# Altium PCB e-puck3-coreboard.PcbDoc (part 3 of 7)
Units mm, origin at the board's own origin, x right, y up, seen from the top; angles counter-clockwise.
Board outline 42.5 x 39.5 mm, 10 copper layers (Top Layer, Top GND Plane, Top Mid Layer 1, Top Mid Layer 2, Mid GND Plane, Bot Mid Layer 3, Bot Mid Layer 2, Bot Mid Layer 1, Bot GND Plane, Bottom Layer), stack 1.366 mm thick; 292 components, 337 nets, 1581 pads, 7018 vias.
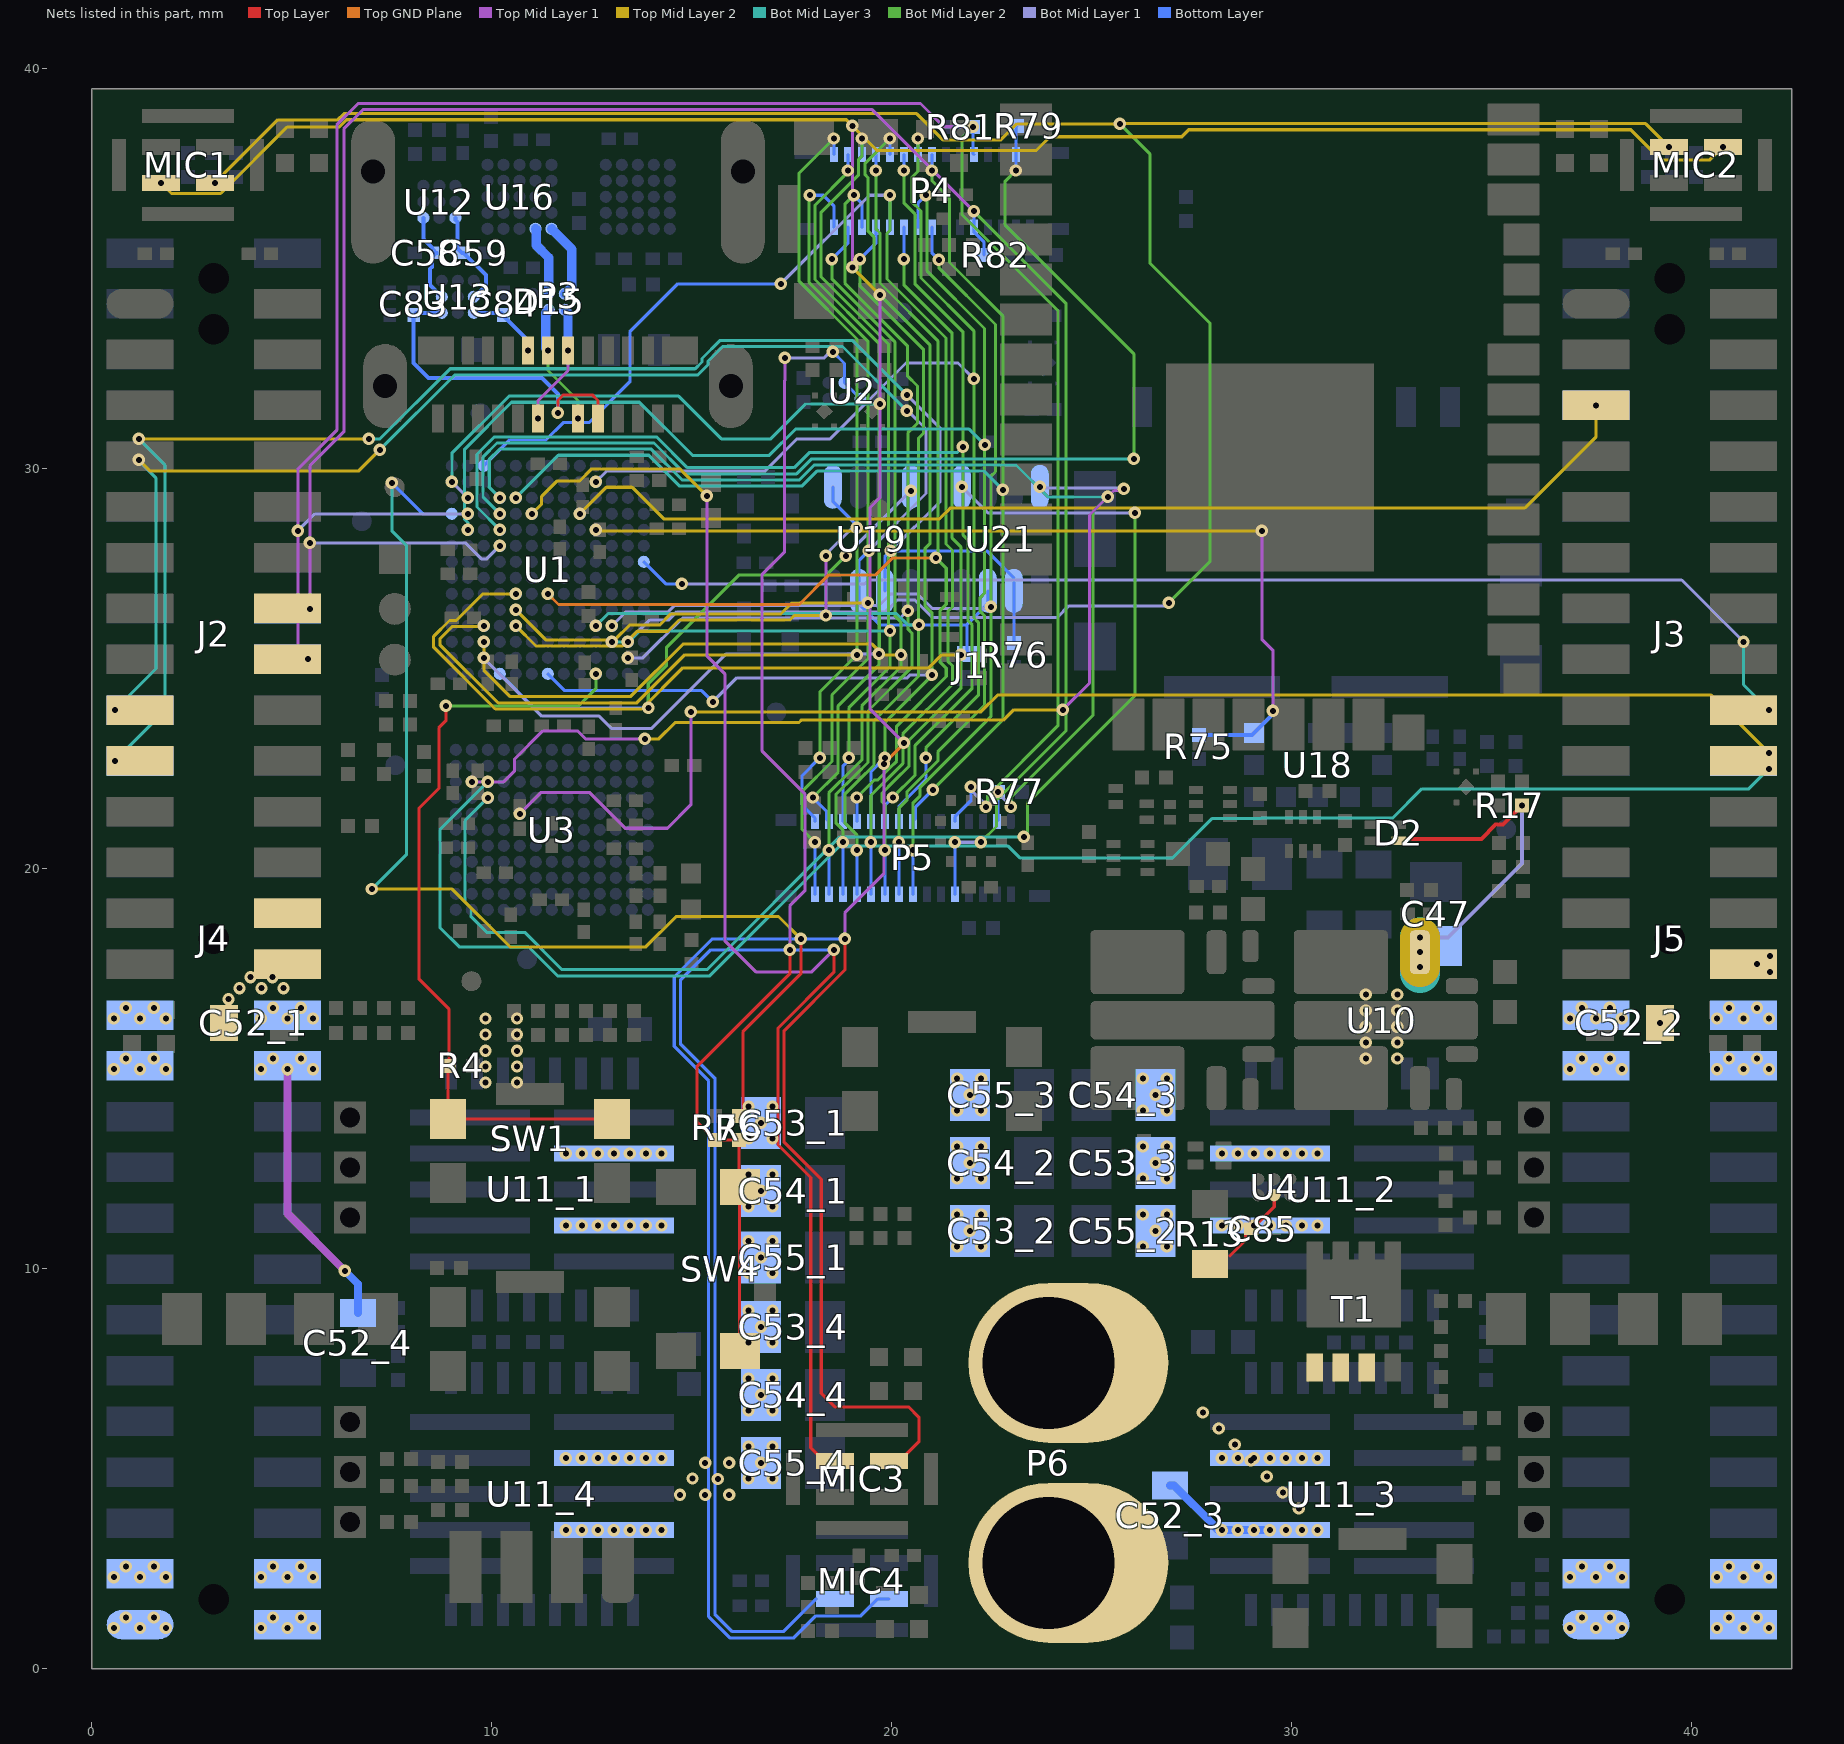
[diagram p11: the nets of this part, all layers, seen from the top]

## Via types
v1: diameter 0.304, hole 0.15, Bot GND Plane to Bottom Layer, 1160 vias
v2: diameter 0.304, hole 0.15, Bot Mid Layer 1 to Bot GND Plane, 1106 vias
v3: diameter 0.304, hole 0.15, Bot Mid Layer 2 to Bot Mid Layer 1, 1042 vias
v4: diameter 0.304, hole 0.15, Bot Mid Layer 3 to Bot Mid Layer 2, 765 vias
v5: diameter 0.304, hole 0.15, Mid GND Plane to Bot Mid Layer 3, 706 vias
v6: diameter 0.304, hole 0.15, Top Mid Layer 2 to Mid GND Plane, 706 vias
v7: diameter 0.304, hole 0.15, Top Mid Layer 1 to Top Mid Layer 2, 585 vias
v8: diameter 0.304, hole 0.15, Top GND Plane to Top Mid Layer 1, 493 vias
v9: diameter 0.304, hole 0.15, Top Layer to Top GND Plane, 343 vias
v10: diameter 0.304/0.15/0.15/0.15/0.15/0.15/0.15/0.15/0.15/0.304 (per signal layer), hole 0.15, Top Layer to Bottom Layer, 39 vias
v11: diameter 0.304/0.304/0.15/0.15/0.304/0.15/0.15/0.15/0.304/0.304 (per signal layer), hole 0.15, Top Layer to Bottom Layer, 38 vias
v12: diameter 0.304/0.15/0.304/0.15/0.304/0.304/0.15/0.15/0.304/0.304 (per signal layer), hole 0.15, Top Layer to Bottom Layer, 10 vias
v13: diameter 0.304/0.304/0.15/0.15/0.15/0.15/0.15/0.15/0.15/0.304 (per signal layer), hole 0.15, Top Layer to Bottom Layer, 8 vias
v14: diameter 0.304/0.304/0.15/0.15/0.304/0.15/0.15/0.15/0.15/0.304 (per signal layer), hole 0.15, Top Layer to Bottom Layer, 4 vias
v15: diameter 0.304/0.304/0.15/0.15/0.304/0.15/0.15/0.15/0.304/0.15 (per signal layer), hole 0.15, Top Layer to Bottom Layer, 4 vias
v16: diameter 0.304/0.15/0.304/0.304/0.304/0.304/0.15/0.304/0.304/0.304 (per signal layer), hole 0.15, Top Layer to Bottom Layer, 2 vias
v17: diameter 0.304/0.15/0.15/0.15/0.304/0.15/0.15/0.15/0.304/0.304 (per signal layer), hole 0.15, Top Layer to Bottom Layer, 2 vias
v18: diameter 0.304/0.15/0.15/0.15/0.15/0.15/0.15/0.304/0.15/0.304 (per signal layer), hole 0.15, Top Layer to Bottom Layer, 1 vias
v19: diameter 0.304/0.15/0.304/0.15/0.15/0.304/0.15/0.15/0.15/0.304 (per signal layer), hole 0.15, Top Layer to Bottom Layer, 1 vias
v20: diameter 0.304/0.15/0.15/0.15/0.304/0.15/0.15/0.15/0.15/0.304 (per signal layer), hole 0.15, Top Layer to Bottom Layer, 1 vias
v21: diameter 0.304/0.15/0.15/0.15/0.15/0.15/0.304/0.15/0.15/0.304 (per signal layer), hole 0.15, Top Layer to Bottom Layer, 1 vias
v22: diameter 0.304/0.15/0.304/0.15/0.15/0.15/0.15/0.15/0.15/0.304 (per signal layer), hole 0.15, Top Layer to Bottom Layer, 1 vias

## Nets (pads, with @x,y where several pads share a name; then routed paths per layer and width w, separated by ;. In a path a pad name is that pad's centre, name@x,y a point inside that pad or via, vN(x,y) a via of type N, cw(c..) or ccw(c..) an arc to the next point about the centre after c; other vN are vias at no path point) (continued)
ADC.ADC3_IN15_1: J3.18 U1.H13 | length 30.4
  Bot Mid Layer 1 w0.077: v2(14.75,27.125) 19.321,27.125 19.418,27.222 39.745,27.222 v3(41.291,25.675)
  Bot Mid Layer 3 w0.077: v3(41.291,25.675) 41.291,24.603 v9(41.925,23.969)
  Bottom Layer w0.077: U1.H13@13.8,27.675 14.35,27.125 v2(14.75,27.125)
  other v1: 14.75,27.125
  other v4: 41.291,25.675
  other v5: 41.925,23.969
  other v6: 41.925,23.969
  other v7: 41.925,23.969
  other v8: 41.925,23.969
BAT+: C47.1 C52_1.1 C52_2.1 C52_3.1 C52_4.1 C53_1.1 C53_2.1 C53_3.1 C53_4.1 C54_1.1 C54_2.1 C54_3.1 C54_4.1 C55_1.1 C55_2.1 C55_3.1 C55_4.1 D2.1 J2.26 J2.28 J3.28 J4.23 J4.24 J4.25 J4.26 J5.23 J5.24 J5.25 J5.26 P6.1 R17.1 U10.2 U11_1.23 U11_1.25 U11_2.23 U11_2.25 U11_3.23 U11_3.25 U11_4.23 U11_4.25 | length 19.4
  Top Layer w0.1: D2.1@32.85,20.75 34.745,20.75 35.097,21.103 35.276,21.103 v9(35.753,21.58)
  Top Mid Layer 1 w0.2: v3(4.892,14.99) 4.891,11.384 v3(6.325,9.95)
  Bot Mid Layer 1 w0.1: v9(33.2,18.285) 33.91,18.285 35.753,20.128 v9(35.753,21.58)
  Top Mid Layer 2 w1: v9(33.2,17.54) v9(33.2,17.915) v9(33.2,18.285)
  Bot Mid Layer 3 w1: 33.2,17.4 v9(33.2,17.915) v9(33.2,18.285)
  Bottom Layer w0.2: v3(6.325,9.95) 6.65,9.625 C52_4.1@6.65,8.9 ; C52_3.1@26.957,4.586 27.057,4.586 28.05,3.592 28.05,3.565 28.15,3.465 v2(28.65,3.465) v2(29.05,3.465) v2(29.45,3.465)
  other v1: 11.85,3.465 12.25,3.465 12.65,3.465 13.05,3.465 13.45,3.465 13.85,3.465 14.246,3.465 28.25,3.465 28.65,3.465 29.05,3.465 29.45,3.465 29.85,3.465 30.25,3.465 30.646,3.465 16.415,4.757 17.015,4.757 16.731,5.15 11.85,5.265 12.25,5.265 12.65,5.265 13.05,5.265 13.45,5.265 13.85,5.265 14.246,5.265 28.25,5.265 28.65,5.265 29.05,5.265 29.45,5.265 29.85,5.265 30.25,5.265 30.646,5.265 16.415,5.557 17.015,5.557 16.415,6.457 17.015,6.457 16.731,6.85 16.415,7.257 17.015,7.257 16.415,8.157 17.015,8.157 16.731,8.55 16.415,8.957 17.015,8.957 16.415,9.892 17.015,9.892 6.325,9.95 16.731,10.285 21.634,10.557 22.234,10.557 26.274,10.557 26.874,10.557 16.415,10.692 17.015,10.692 21.95,10.95 26.59,10.95 11.85,11.085 12.25,11.085 12.65,11.085 13.05,11.085 13.45,11.085 13.85,11.085 14.246,11.085 28.25,11.085 28.65,11.085 29.05,11.085 29.45,11.085 29.85,11.085 30.25,11.085 30.646,11.085 21.634,11.357 22.234,11.357 26.274,11.357 26.874,11.357 16.415,11.557 17.015,11.557 16.731,11.95 21.634,12.257 22.234,12.257 26.274,12.257 26.874,12.257 16.415,12.357 17.015,12.357 21.95,12.65 26.59,12.65 11.85,12.885 12.25,12.885 12.65,12.885 13.05,12.885 13.45,12.885 13.85,12.885 14.246,12.885 28.25,12.885 28.65,12.885 29.05,12.885 29.45,12.885 29.85,12.885 30.25,12.885 30.646,12.885 21.634,13.057 22.234,13.057 26.274,13.057 26.874,13.057 16.415,13.257 17.015,13.257 16.731,13.65 21.634,13.957 22.234,13.957 26.274,13.957 26.874,13.957 16.415,14.057 17.015,14.057 21.95,14.35 26.59,14.35 21.634,14.757 22.234,14.757 26.274,14.757 26.874,14.757 0.55,14.99 1.209,14.99 1.85,14.99 4.233,14.99 4.892,14.99 5.533,14.99 36.95,14.99 37.608,14.99 38.25,14.99 40.633,14.99 41.291,14.99 41.933,14.99 0.85,15.255 1.55,15.255 4.533,15.255 5.233,15.255 37.25,15.255 37.95,15.255 40.933,15.255 41.633,15.255 0.55,16.26 1.209,16.26 1.85,16.26 4.233,16.26 4.892,16.26 36.95,16.26 37.608,16.26 38.25,16.26 40.633,16.26 41.291,16.26 41.933,16.26 0.85,16.525 1.55,16.525 4.533,16.525 37.25,16.525 37.95,16.525 40.933,16.525 41.633,16.525 3.417,16.741 33.2,17.915 33.2,18.285
  other v2: 11.85,3.465 12.25,3.465 12.65,3.465 13.05,3.465 13.45,3.465 13.85,3.465 14.246,3.465 28.25,3.465 29.85,3.465 30.25,3.465 30.646,3.465 16.415,4.757 17.015,4.757 16.731,5.15 11.85,5.265 12.25,5.265 12.65,5.265 13.05,5.265 13.45,5.265 13.85,5.265 14.246,5.265 28.25,5.265 28.65,5.265 29.05,5.265 29.45,5.265 29.85,5.265 30.25,5.265 30.646,5.265 16.415,5.557 17.015,5.557 16.415,6.457 17.015,6.457 16.731,6.85 16.415,7.257 17.015,7.257 16.415,8.157 17.015,8.157 16.731,8.55 16.415,8.957 17.015,8.957 16.415,9.892 17.015,9.892 6.325,9.95 16.731,10.285 21.634,10.557 22.234,10.557 26.274,10.557 26.874,10.557 16.415,10.692 17.015,10.692 21.95,10.95 26.59,10.95 11.85,11.085 12.25,11.085 12.65,11.085 13.05,11.085 13.45,11.085 13.85,11.085 14.246,11.085 28.25,11.085 28.65,11.085 29.05,11.085 29.45,11.085 29.85,11.085 30.25,11.085 30.646,11.085 21.634,11.357 22.234,11.357 26.274,11.357 26.874,11.357 16.415,11.557 17.015,11.557 16.731,11.95 21.634,12.257 22.234,12.257 26.274,12.257 26.874,12.257 16.415,12.357 17.015,12.357 21.95,12.65 26.59,12.65 11.85,12.885 12.25,12.885 12.65,12.885 13.05,12.885 13.45,12.885 13.85,12.885 14.246,12.885 28.25,12.885 28.65,12.885 29.05,12.885 29.45,12.885 29.85,12.885 30.25,12.885 30.646,12.885 21.634,13.057 22.234,13.057 26.274,13.057 26.874,13.057 16.415,13.257 17.015,13.257 16.731,13.65 21.634,13.957 22.234,13.957 26.274,13.957 26.874,13.957 16.415,14.057 17.015,14.057 21.95,14.35 26.59,14.35 21.634,14.757 22.234,14.757 26.274,14.757 26.874,14.757 0.55,14.99 1.209,14.99 1.85,14.99 4.233,14.99 4.892,14.99 5.533,14.99 36.95,14.99 37.608,14.99 38.25,14.99 40.633,14.99 41.291,14.99 41.933,14.99 0.85,15.255 1.55,15.255 4.533,15.255 5.233,15.255 37.25,15.255 37.95,15.255 40.933,15.255 41.633,15.255 0.55,16.26 1.209,16.26 1.85,16.26 4.233,16.26 4.892,16.26 36.95,16.26 37.608,16.26 38.25,16.26 40.633,16.26 41.291,16.26 41.933,16.26 0.85,16.525 1.55,16.525 4.533,16.525 37.25,16.525 37.95,16.525 40.933,16.525 41.633,16.525 3.417,16.741 33.2,17.915 33.2,18.285
  other v3: 14.702,4.35 15.334,4.35 15.934,4.35 15.65,4.743 15.018,4.757 16.415,4.757 17.015,4.757 15.334,5.15 15.934,5.15 16.731,5.15 16.415,5.557 17.015,5.557 16.415,6.457 17.015,6.457 16.731,6.85 16.415,7.257 17.015,7.257 16.415,8.157 17.015,8.157 16.731,8.55 16.415,8.957 17.015,8.957 16.415,9.892 17.015,9.892 16.731,10.285 21.634,10.557 22.234,10.557 26.274,10.557 26.874,10.557 16.415,10.692 17.015,10.692 21.95,10.95 26.59,10.95 21.634,11.357 22.234,11.357 26.274,11.357 26.874,11.357 16.415,11.557 17.015,11.557 16.731,11.95 21.634,12.257 22.234,12.257 26.274,12.257 26.874,12.257 16.415,12.357 17.015,12.357 21.95,12.65 26.59,12.65 21.634,13.057 22.234,13.057 26.274,13.057 26.874,13.057 16.415,13.257 17.015,13.257 16.731,13.65 21.634,13.957 22.234,13.957 26.274,13.957 26.874,13.957 16.415,14.057 17.015,14.057 21.95,14.35 26.59,14.35 21.634,14.757 22.234,14.757 26.274,14.757 26.874,14.757 0.55,14.99 1.209,14.99 1.85,14.99 4.233,14.99 5.533,14.99 36.95,14.99 37.608,14.99 38.25,14.99 40.633,14.99 41.291,14.99 41.933,14.99 0.85,15.255 1.55,15.255 4.533,15.255 5.233,15.255 31.85,15.257 32.637,15.257 37.25,15.255 37.95,15.255 40.933,15.255 41.633,15.255 31.85,15.657 32.637,15.657 31.85,16.05 32.637,16.05 39.2,16.15 0.55,16.26 1.209,16.26 1.85,16.26 4.233,16.26 4.892,16.26 36.95,16.26 37.608,16.26 38.25,16.26 40.633,16.26 41.291,16.26 41.933,16.26 31.85,16.457 32.637,16.457 0.85,16.525 1.55,16.525 4.533,16.525 37.25,16.525 37.95,16.525 40.933,16.525 41.633,16.525 3.417,16.741 31.85,16.857 32.637,16.857 33.2,17.915 33.2,18.285 35.753,21.58
  other v4: 14.702,4.35 15.334,4.35 15.934,4.35 15.65,4.743 15.018,4.757 16.415,4.757 17.015,4.757 15.334,5.15 15.934,5.15 16.731,5.15 16.415,5.557 17.015,5.557 16.415,6.457 17.015,6.457 16.731,6.85 16.415,7.257 17.015,7.257 16.415,8.157 17.015,8.157 16.731,8.55 16.415,8.957 17.015,8.957 16.415,9.892 17.015,9.892 6.325,9.95 16.731,10.285 21.634,10.557 22.234,10.557 26.274,10.557 26.874,10.557 16.415,10.692 17.015,10.692 21.95,10.95 26.59,10.95 21.634,11.357 22.234,11.357 26.274,11.357 26.874,11.357 16.415,11.557 17.015,11.557 16.731,11.95 21.634,12.257 22.234,12.257 26.274,12.257 26.874,12.257 16.415,12.357 17.015,12.357 21.95,12.65 26.59,12.65 21.634,13.057 22.234,13.057 26.274,13.057 26.874,13.057 16.415,13.257 17.015,13.257 16.731,13.65 21.634,13.957 22.234,13.957 26.274,13.957 26.874,13.957 16.415,14.057 17.015,14.057 21.95,14.35 26.59,14.35 9.846,14.657 10.633,14.657 21.634,14.757 22.234,14.757 26.274,14.757 26.874,14.757 0.55,14.99 1.209,14.99 1.85,14.99 4.233,14.99 4.892,14.99 5.533,14.99 36.95,14.99 37.608,14.99 38.25,14.99 40.633,14.99 41.291,14.99 41.933,14.99 9.846,15.057 10.633,15.057 0.85,15.255 1.55,15.255 4.533,15.255 5.233,15.255 31.85,15.257 32.637,15.257 37.25,15.255 37.95,15.255 40.933,15.255 41.633,15.255 9.846,15.45 10.633,15.45 31.85,15.657 32.637,15.657 9.846,15.857 10.633,15.857 31.85,16.05 32.637,16.05 39.2,16.15 0.55,16.26 1.209,16.26 1.85,16.26 4.233,16.26 4.892,16.26 5.533,16.26 9.846,16.257 10.633,16.257 36.95,16.26 37.608,16.26 38.25,16.26 40.633,16.26 41.291,16.26 41.933,16.26 31.85,16.457 32.637,16.457 0.85,16.525 1.55,16.525 4.533,16.525 5.233,16.525 37.25,16.525 37.95,16.525 40.933,16.525 41.633,16.525 3.417,16.741 31.85,16.857 32.637,16.857 3.692,17.016 4.242,17.016 4.792,17.016 3.967,17.291 4.517,17.291 33.2,17.915 33.2,18.285 35.753,21.58
  other v5: 16.415,4.757 17.015,4.757 16.731,5.15 16.415,5.557 17.015,5.557 16.415,6.457 17.015,6.457 16.731,6.85 16.415,7.257 17.015,7.257 16.415,8.157 17.015,8.157 16.731,8.55 16.415,8.957 17.015,8.957 16.415,9.892 17.015,9.892 6.325,9.95 16.731,10.285 21.634,10.557 22.234,10.557 26.274,10.557 26.874,10.557 16.415,10.692 17.015,10.692 21.95,10.95 26.59,10.95 21.634,11.357 22.234,11.357 26.274,11.357 26.874,11.357 16.415,11.557 17.015,11.557 16.731,11.95 21.634,12.257 22.234,12.257 26.274,12.257 26.874,12.257 16.415,12.357 17.015,12.357 21.95,12.65 26.59,12.65 21.634,13.057 22.234,13.057 26.274,13.057 26.874,13.057 16.415,13.257 17.015,13.257 16.731,13.65 21.634,13.957 22.234,13.957 26.274,13.957 26.874,13.957 16.415,14.057 17.015,14.057 21.95,14.35 26.59,14.35 9.846,14.657 10.633,14.657 21.634,14.757 22.234,14.757 26.274,14.757 26.874,14.757 0.55,14.99 1.209,14.99 1.85,14.99 4.233,14.99 4.892,14.99 5.533,14.99 36.95,14.99 37.608,14.99 38.25,14.99 40.633,14.99 41.291,14.99 41.933,14.99 9.846,15.057 10.633,15.057 0.85,15.255 1.55,15.255 4.533,15.255 5.233,15.255 31.85,15.257 32.637,15.257 37.25,15.255 37.95,15.255 40.933,15.255 41.633,15.255 9.846,15.45 10.633,15.45 31.85,15.657 32.637,15.657 9.846,15.857 10.633,15.857 31.85,16.05 32.637,16.05 39.2,16.15 0.55,16.26 1.209,16.26 1.85,16.26 4.233,16.26 4.892,16.26 5.533,16.26 9.846,16.257 10.633,16.257 36.95,16.26 37.608,16.26 38.25,16.26 40.633,16.26 41.291,16.26 41.933,16.26 31.85,16.457 32.637,16.457 0.85,16.525 1.55,16.525 4.533,16.525 5.233,16.525 37.25,16.525 37.95,16.525 40.933,16.525 41.633,16.525 3.417,16.741 31.85,16.857 32.637,16.857 3.692,17.016 4.242,17.016 4.792,17.016 3.967,17.291 4.517,17.291 33.2,17.915 33.2,18.285 35.753,21.58
  other v6: 16.415,4.757 17.015,4.757 16.731,5.15 16.415,5.557 17.015,5.557 16.415,6.457 17.015,6.457 16.731,6.85 16.415,7.257 17.015,7.257 16.415,8.157 17.015,8.157 16.731,8.55 16.415,8.957 17.015,8.957 16.415,9.892 17.015,9.892 6.325,9.95 16.731,10.285 21.634,10.557 22.234,10.557 26.274,10.557 26.874,10.557 16.415,10.692 17.015,10.692 21.95,10.95 26.59,10.95 21.634,11.357 22.234,11.357 26.274,11.357 26.874,11.357 16.415,11.557 17.015,11.557 16.731,11.95 21.634,12.257 22.234,12.257 26.274,12.257 26.874,12.257 16.415,12.357 17.015,12.357 21.95,12.65 26.59,12.65 21.634,13.057 22.234,13.057 26.274,13.057 26.874,13.057 16.415,13.257 17.015,13.257 16.731,13.65 21.634,13.957 22.234,13.957 26.274,13.957 26.874,13.957 16.415,14.057 17.015,14.057 21.95,14.35 26.59,14.35 9.846,14.657 10.633,14.657 21.634,14.757 22.234,14.757 26.274,14.757 26.874,14.757 0.55,14.99 1.209,14.99 1.85,14.99 4.233,14.99 4.892,14.99 5.533,14.99 36.95,14.99 37.608,14.99 38.25,14.99 40.633,14.99 41.291,14.99 41.933,14.99 9.846,15.057 10.633,15.057 0.85,15.255 1.55,15.255 4.533,15.255 5.233,15.255 31.85,15.257 32.637,15.257 37.25,15.255 37.95,15.255 40.933,15.255 41.633,15.255 9.846,15.45 10.633,15.45 31.85,15.657 32.637,15.657 9.846,15.857 10.633,15.857 31.85,16.05 32.637,16.05 39.2,16.15 0.55,16.26 1.209,16.26 1.85,16.26 4.233,16.26 4.892,16.26 5.533,16.26 9.846,16.257 10.633,16.257 36.95,16.26 37.608,16.26 38.25,16.26 40.633,16.26 41.291,16.26 41.933,16.26 31.85,16.457 32.637,16.457 0.85,16.525 1.55,16.525 4.533,16.525 5.233,16.525 37.25,16.525 37.95,16.525 40.933,16.525 41.633,16.525 3.417,16.741 31.85,16.857 32.637,16.857 3.692,17.016 4.242,17.016 4.792,17.016 3.967,17.291 4.517,17.291 33.2,17.915 33.2,18.285 35.753,21.58
  other v7: 6.325,9.95 4.892,14.99 39.2,16.15 40.633,16.26 41.291,16.26 41.933,16.26 40.933,16.525 41.633,16.525 3.417,16.741 3.692,17.016 4.242,17.016 4.792,17.016 3.967,17.291 4.517,17.291 33.2,17.54 33.2,17.915 33.2,18.285 35.753,21.58
  other v8: 39.2,16.15 3.417,16.741 3.692,17.016 4.242,17.016 4.792,17.016 3.967,17.291 4.517,17.291 41.95,17.425 33.2,17.54 41.625,17.625 41.95,17.825 33.2,17.915 33.2,18.285 35.753,21.58
  other v9: 39.2,16.15 3.417,16.741 3.692,17.016 4.242,17.016 4.792,17.016 3.967,17.291 4.517,17.291 41.95,17.425 41.625,17.625 41.95,17.825
BAT-: C85.2 J4.1 J4.2 J4.3 J4.4 J5.1 J5.2 J5.3 J5.4 P6.2 R13.2 T1.1 T1.2 T1.3 U4.B2 | length 2
  Top Layer w0.077: 28.45,10.32 28.849,10.719 28.849,10.879 28.97,11 C85.2@28.99,11 ; C85.2@28.979,10.991 28.981,10.991 C85.2@28.99,11 ; U4.B2@29.56,11.84 29.56,11.55 29.01,11 C85.2@28.99,11
  other v1: 0.55,1.02 1.209,1.02 1.85,1.02 4.233,1.02 4.892,1.02 5.533,1.02 36.95,1.02 37.608,1.02 38.25,1.02 40.633,1.02 41.291,1.02 41.933,1.02 0.85,1.285 1.55,1.285 4.533,1.285 5.233,1.285 37.25,1.285 37.95,1.285 40.933,1.285 41.633,1.285 0.55,2.29 1.209,2.29 1.85,2.29 4.233,2.29 4.892,2.29 5.533,2.29 36.95,2.29 37.608,2.29 38.25,2.29 40.633,2.29 41.291,2.29 41.933,2.29 0.85,2.555 1.55,2.555 4.533,2.555 5.233,2.555 37.25,2.555 37.95,2.555 40.933,2.555 41.633,2.555
  other v2: 0.55,1.02 1.209,1.02 1.85,1.02 4.233,1.02 4.892,1.02 5.533,1.02 36.95,1.02 37.608,1.02 38.25,1.02 40.633,1.02 41.291,1.02 41.933,1.02 0.85,1.285 1.55,1.285 4.533,1.285 5.233,1.285 37.25,1.285 37.95,1.285 40.933,1.285 41.633,1.285 0.55,2.29 1.209,2.29 1.85,2.29 4.233,2.29 4.892,2.29 5.533,2.29 36.95,2.29 37.608,2.29 38.25,2.29 40.633,2.29 41.291,2.29 41.933,2.29 0.85,2.555 1.55,2.555 4.533,2.555 5.233,2.555 37.25,2.555 37.95,2.555 40.933,2.555 41.633,2.555
  other v3: 0.55,1.02 1.209,1.02 1.85,1.02 4.233,1.02 4.892,1.02 5.533,1.02 36.95,1.02 37.608,1.02 38.25,1.02 40.633,1.02 41.291,1.02 41.933,1.02 0.85,1.285 1.55,1.285 4.533,1.285 5.233,1.285 37.25,1.285 37.95,1.285 40.933,1.285 41.633,1.285 0.55,2.29 1.209,2.29 1.85,2.29 4.233,2.29 4.892,2.29 5.533,2.29 36.95,2.29 37.608,2.29 38.25,2.29 40.633,2.29 41.291,2.29 41.933,2.29 0.85,2.555 1.55,2.555 4.533,2.555 5.233,2.555 37.25,2.555 37.95,2.555 40.933,2.555 41.633,2.555
  other v4: 0.55,1.02 1.209,1.02 1.85,1.02 4.233,1.02 4.892,1.02 5.533,1.02 36.95,1.02 37.608,1.02 38.25,1.02 40.633,1.02 41.291,1.02 41.933,1.02 0.85,1.285 1.55,1.285 4.533,1.285 5.233,1.285 37.25,1.285 37.95,1.285 40.933,1.285 41.633,1.285 0.55,2.29 1.209,2.29 1.85,2.29 4.233,2.29 4.892,2.29 5.533,2.29 36.95,2.29 37.608,2.29 38.25,2.29 40.633,2.29 41.291,2.29 41.933,2.29 0.85,2.555 1.55,2.555 4.533,2.555 5.233,2.555 37.25,2.555 37.95,2.555 40.933,2.555 41.633,2.555
  other v5: 0.55,1.02 1.209,1.02 1.85,1.02 4.233,1.02 4.892,1.02 5.533,1.02 36.95,1.02 37.608,1.02 38.25,1.02 40.633,1.02 41.291,1.02 41.933,1.02 0.85,1.285 1.55,1.285 4.533,1.285 5.233,1.285 37.25,1.285 37.95,1.285 40.933,1.285 41.633,1.285 0.55,2.29 1.209,2.29 1.85,2.29 4.233,2.29 4.892,2.29 5.533,2.29 36.95,2.29 37.608,2.29 38.25,2.29 40.633,2.29 41.291,2.29 41.933,2.29 0.85,2.555 1.55,2.555 4.533,2.555 5.233,2.555 37.25,2.555 37.95,2.555 40.933,2.555 41.633,2.555 30.175,4.006 29.775,4.406 29.375,4.806
  other v6: 0.55,1.02 1.209,1.02 1.85,1.02 4.233,1.02 4.892,1.02 5.533,1.02 36.95,1.02 37.608,1.02 38.25,1.02 40.633,1.02 41.291,1.02 41.933,1.02 0.85,1.285 1.55,1.285 4.533,1.285 5.233,1.285 37.25,1.285 37.95,1.285 40.933,1.285 41.633,1.285 0.55,2.29 1.209,2.29 1.85,2.29 4.233,2.29 4.892,2.29 5.533,2.29 36.95,2.29 37.608,2.29 38.25,2.29 40.633,2.29 41.291,2.29 41.933,2.29 0.85,2.555 1.55,2.555 4.533,2.555 5.233,2.555 37.25,2.555 37.95,2.555 40.933,2.555 41.633,2.555 30.175,4.006 29.775,4.406 29.375,4.806
  other v7: 0.55,1.02 1.209,1.02 1.85,1.02 4.233,1.02 4.892,1.02 5.533,1.02 36.95,1.02 37.608,1.02 38.25,1.02 40.633,1.02 41.291,1.02 41.933,1.02 0.85,1.285 1.55,1.285 4.533,1.285 5.233,1.285 37.25,1.285 37.95,1.285 40.933,1.285 41.633,1.285 0.55,2.29 1.209,2.29 1.85,2.29 4.233,2.29 4.892,2.29 5.533,2.29 36.95,2.29 37.608,2.29 38.25,2.29 40.633,2.29 41.291,2.29 41.933,2.29 0.85,2.555 1.55,2.555 4.533,2.555 5.233,2.555 37.25,2.555 37.95,2.555 40.933,2.555 41.633,2.555 30.175,4.006 29.775,4.406 29.375,4.806
  other v8: 0.55,1.02 1.209,1.02 1.85,1.02 4.233,1.02 4.892,1.02 5.533,1.02 36.95,1.02 37.608,1.02 38.25,1.02 40.633,1.02 41.291,1.02 41.933,1.02 0.85,1.285 1.55,1.285 4.533,1.285 5.233,1.285 37.25,1.285 37.95,1.285 40.933,1.285 41.633,1.285 0.55,2.29 1.209,2.29 1.85,2.29 4.233,2.29 4.892,2.29 5.533,2.29 36.95,2.29 37.608,2.29 38.25,2.29 40.633,2.29 41.291,2.29 41.933,2.29 0.85,2.555 1.55,2.555 4.533,2.555 5.233,2.555 37.25,2.555 37.95,2.555 40.933,2.555 41.633,2.555 30.175,4.006 29.775,4.406 29.375,4.806 28.975,5.206 28.575,5.606 28.175,6.006 27.775,6.406